# Allegro board CHIP_v1_0_20151123.brd
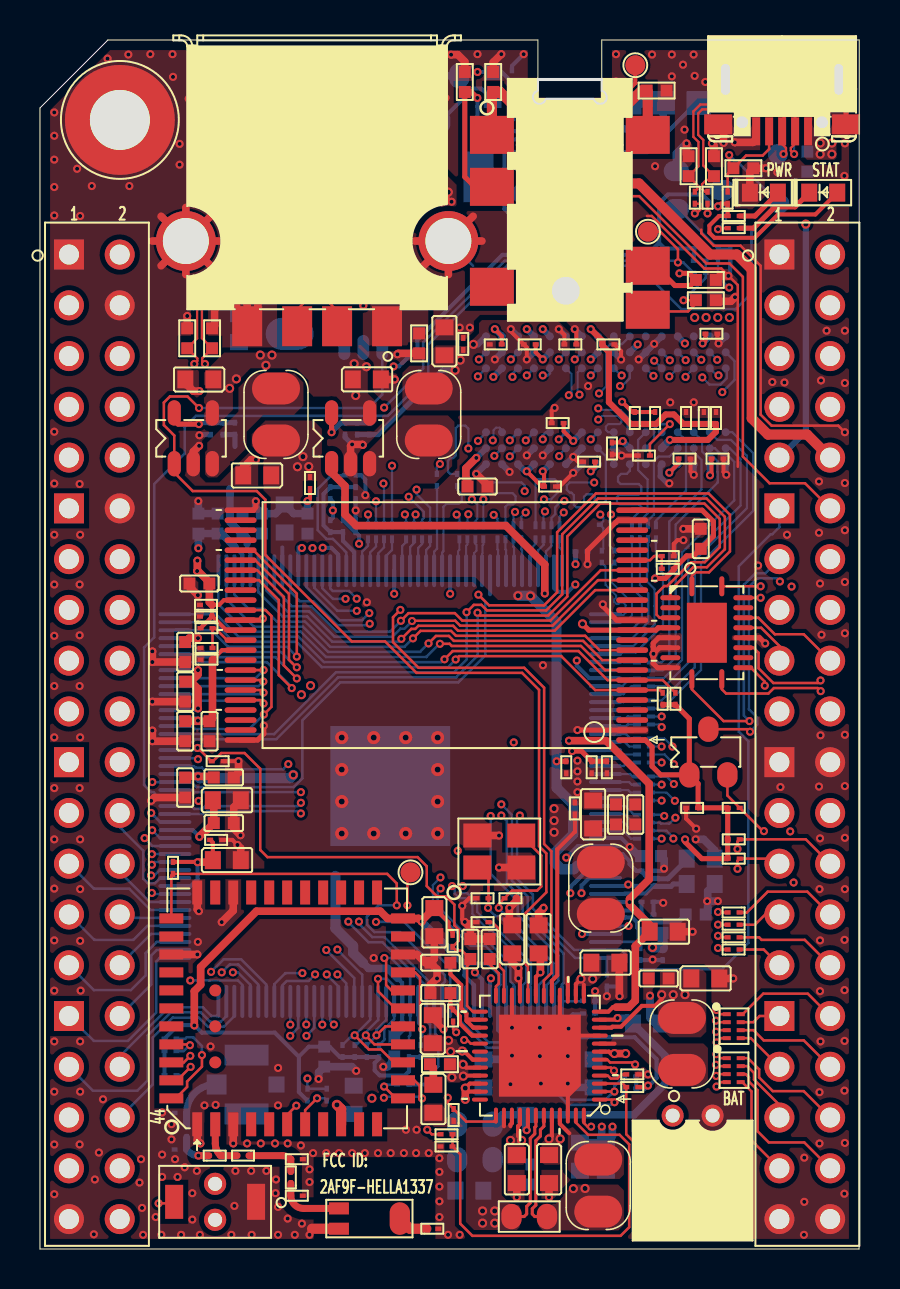
[diagram p0: board, top side]
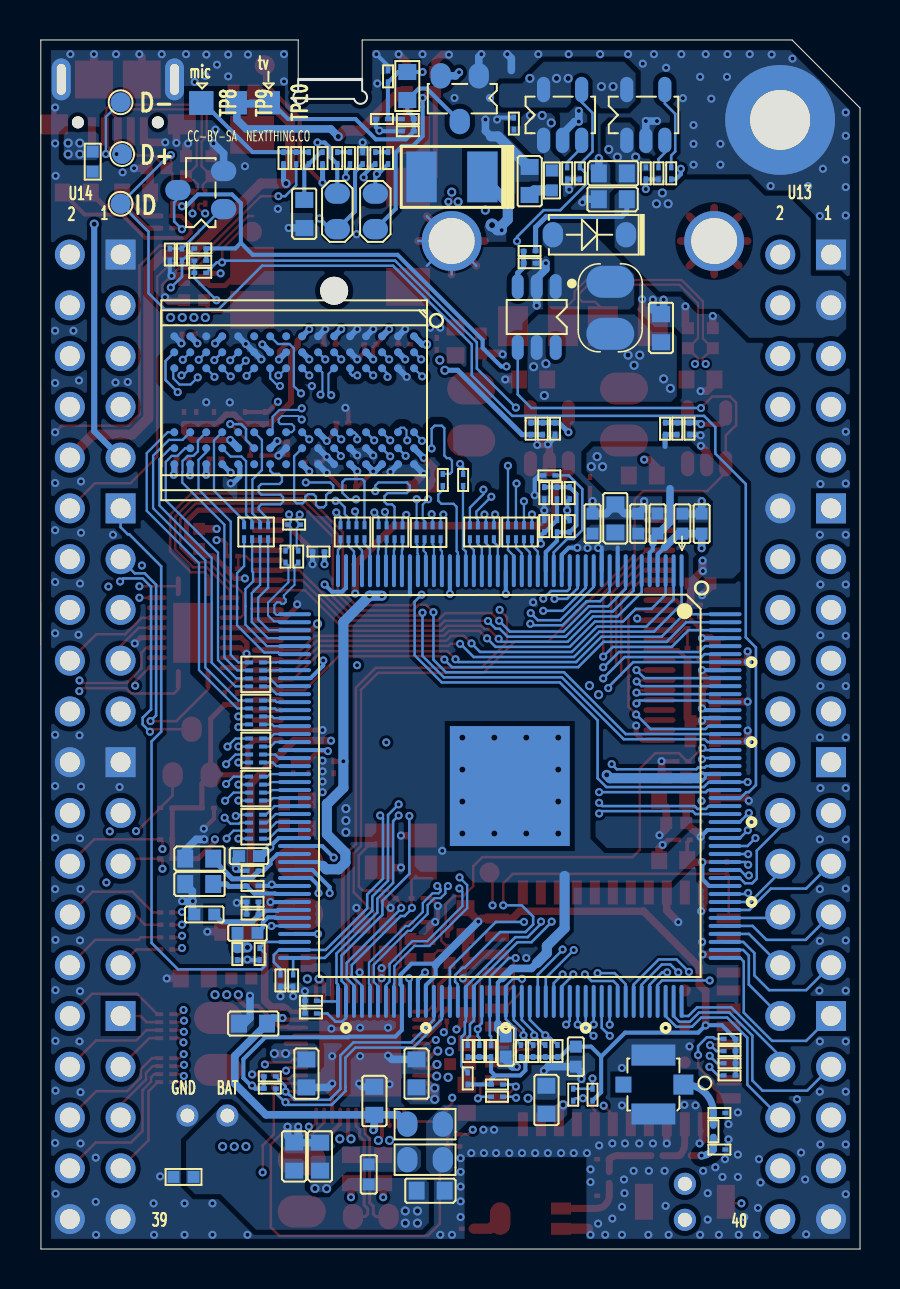
[diagram p1: board, bottom side, seen from below]

Outline 41.01 x 60.5 mm; copper layers: TOP, GND, IN1, IN2, VCC, BOTTOM. Coordinates in mm from the lower left corner of the outline.
Outline path: 0,57.09 3.4,60.5 24.92,60.5 24.92,58.46 28.12,58.46 28.12,60.5 41.01,60.5 41,0 0,0 0,57.09

## Design rules (mm)
net group A0: nets A0 SA0
net group BA0: nets BA0 SBA0
net group BA1: nets BA1 SBA1
net group BA2: nets BA2 SBA2
net group CSI-D0: nets CSI-D0 CSID0
net group CSI-D1: nets CSI-D1 CSID1
net group CSI-D2: nets CSI-D2 CSID2
net group CSI-D3: nets CSI-D3 CSID3
net group CSI-D4: nets CSI-D4 CSID4
net group CSI-D5: nets CSI-D5 CSID5
net group CSI-D6: nets CSI-D6 CSID6
net group CSI-D7: nets CSI-D7 CSID7
net group CSI-HSYNC: nets CSI-HSYNC CSIHSYNC
net group CSI-MCLK: nets CSI-MCLK CSICK
net group CSI-PCLK: nets CSI-PCLK CSIPCK
net group CSI-VSYNC: nets CSI-VSYNC CSIVSYNC
net group DM0: nets DM0 N21782572
net group DP0: nets DP0 N21782578
net group DSCK: nets DSCK SCK
net group DSCK-N: nets DSCK-N SCK-N
net group ODT: nets ODT SODT
net group RAS: nets RAS SRAS
net group RST: nets RST SRST
net group SDQM0: nets N21691225 SDQM0
net group SDQM1: nets N21691228 SDQM1
net group SDQS0: nets N21742219 SDQS0
net group SDQS0-N: nets N21742222 SDQS0-N
net group SDQS1: nets N21748095 SDQS1
net group SDQS1-N: nets N21748098 SDQS1-N
net group SWE: nets SWE WE
net group 50OHM: nets A1 A2 A3 A4 A5 A6 A7 A8 A9 A10 A11 A12 A13 A14 CAS CKE DQ0 DQ1 DQ2 DQ3 DQ4 DQ5 DQ6 DQ7 DQ8 DQ9 DQ10 DQ11 DQ12 DQ13 DQ14 DQ15 SA1 SA2 SA3 SA4 SA5 SA6 SA7 SA8 SA9 SA10 SA11 SA12 SA13 SA14 SCAS SCKE SDQ0 SDQ1 SDQ2 SDQ3 SDQ4 SDQ5 SDQ6 SDQ7 SDQ8 SDQ9 SDQ10 SDQ11 SDQ12 SDQ13 SDQ14 SDQ15
net group SDIO-WL: nets WL-SDIO-CLK WL-SDIO-CMD WL-SDIO-D0 WL-SDIO-D1 WL-SDIO-D2 WL-SDIO-D3

## Placement (name value [footprint] x y rotation side)
ANT1  ANT  [WIFI-1206]  16.49 1.52 0 top
ANT2  NC-ANT  [WIFI-ANT-SD73412-011H1_3A]  10.34 8.23 90 bottom
C1  18pF-1%  [C0201]  22.15 17.55 0 top
C5  18pF-1%  [C0201]  23.55 17.55 180 top
C9  1uF  [CC0402]  24.59 3.73 270 bottom
C10  4.7uF  [CC0603]  25.48 4 270 top
C11  4.7uF  [CC0603]  27.03 4.62 90 bottom
C12  4.7uF  [CC0603]  28.33 4.62 90 bottom
C13  10uF  [CC0603]  22.2 8.79 270 bottom
C14  10uF  [CC0603]  33.3 13.54 0 top
C15  102  [CC0402]  30.97 13.54 180 top
C16  10uF  [CC0603]  27.72 8.79 270 bottom
C17  10uF  [CC0603]  19.69 7.52 270 top
C18  10uF  [CC0603]  19.66 11 90 top
C19  10uF  [CC0603]  27.69 21.74 90 top
C20  102  [C0201]  26.78 22.05 90 top
C21  10uF  [CC0603]  28.3 14.33 0 top
C22  1uF  [CC0402]  20.05 12.8 0 top
C24  1uF  [CC0402]  20.05 14.33 180 top
C25  4.7uF  [CC0603]  31.22 15.88 0 top
C26  1uF  [CC0402]  22.51 15.01 270 top
C27  4.7uF  [CC0603]  21.49 2.92 0 bottom
C28  4.7uF  [CC0603]  24.31 7.42 270 bottom
C29  4.7uF  [CC0603]  23.64 15.49 90 top
C32  10uF  [CC0603]  23.87 4 270 top
C33  104  [C0201]  27.11 34.9 180 bottom
C34  104  [C0201]  15.8 36.17 270 bottom
C35  104  [C0201]  20.35 5.13 0 top
C36  104  [C0201]  28.38 24.1 90 top
C37  1uF  [CC0402]  21.54 15.01 270 top
C45  10uF  [CC0603]  15.7 7.47 270 bottom
C47  NC  [C0201]  12.86 4.5 0 top
C48  NC  [C0201]  12.86 2.67 0 top
C49  1uF  [CC0402]  14.23 9.63 90 bottom
C50  4.7uF  [CC0603]  19.74 16.36 270 top
C51  8P  [C0201]  19.64 1.02 0 top
C52  NC  [C0201]  7.04 4.98 180 bottom
C53  22pF  [C0201]  22.64 56.54 180 bottom
C54  104  [C0201]  28.22 54.58 90 bottom
C55  271  [C0201]  23.63 58.67 270 bottom
C56  331  [C0201]  22.64 55.93 180 bottom
C58  104  [C0201]  17.33 56.31 270 bottom
C59  4.7uF  [CC0603]  16.54 53.44 270 bottom
C60  NC  [C0201]  7.04 6.81 180 bottom
C64  104  [C0201]  10.72 53.82 90 bottom
C65  4.7uF  [CC0603]  12.37 53.82 180 bottom
C66  4.7uF  [CC0603]  30.38 11.28 180 bottom
C67  47pF  [C0201]  9.15 41.05 90 bottom
C68  4.7uF  [CC0603]  7.98 43.51 180 top
C69  104  [C0201]  13.52 38.33 270 top
C70  4.7uF  [CC0603]  10.88 38.71 180 top
C71  4.7uF  [CC0603]  16.36 43.51 0 top
C72  104  [C0201]  21.19 45.29 90 top
C73  47pF  [C0201]  15.88 41.05 90 bottom
C74  4.7uF  [CC0603]  20.25 45.42 90 top
C75  10uF  [CC0603]  9.96 46.08 90 bottom
C76  4.7uF  [CC0603]  24.96 15.49 90 top
C77  10uF  [CC0603]  12.37 52.53 0 bottom
C78  22uF  [CC0805]  24.26 51.92 270 bottom
C79  22uF  [CC0805]  26.17 51.92 270 bottom
C81  104  [C0201]  29.77 41.58 90 top
C82  104  [C0201]  15.17 37.82 90 bottom
C83  104  [C0201]  33.23 41.58 270 top
C84  104  [C0201]  14.53 37.82 270 bottom
C90  104  [C0201]  22.81 45.26 0 top
C91  104  [C0201]  26.55 45.26 0 top
C92  104  [C0201]  25.91 41.33 180 top
C93  104  [C0201]  25.53 38.15 0 top
C94  104  [C0201]  28.63 40.06 270 top
C95  104  [C0201]  33.84 41.58 90 top
C96  104  [C0201]  28.45 45.26 0 top
C102  104  [C0201]  24.52 45.26 0 top
C103  104  [C0201]  33.91 39.55 0 top
C104  104  [C0201]  32.26 39.55 0 top
C105  104  [C0201]  27.49 39.4 180 top
C106  104  [C0201]  33.61 45.8 0 top
C109  NC  [C0201]  28.33 36.25 180 bottom
C142  4.7uF  [C0402]  21.9 38.15 180 top
C145  1uF  [CC0402]  33.08 35.53 270 top
C146  220uF/10V  [CT1210]  20.43 53.64 0 bottom
C148  104  [C0201]  25.53 54.58 270 bottom
C149  10uF  [C0603]  9.35 22.45 0 top
C150  1uF  [C0402]  17.73 10.13 270 bottom
C151  104  [C0201]  24.26 54.58 270 bottom
C152  104  [C0201]  34.55 49.76 90 bottom
C153  1uF  [C0402]  29.8 21.74 90 top
C154  1uF  [C0402]  30.59 19.66 0 bottom
C157  10uF  [C0603]  9.35 19.46 0 top
C158  1uF  [C0402]  8.49 25.91 90 top
C159  1uF  [C0402]  7.98 33.3 0 top
C160  1uF  [C0402]  7.27 25.91 90 top
C161  1uF  [C0402]  10.14 36.3 270 bottom
C164  1uF  [C0402]  30.66 15.82 180 bottom
C165  102  [C0201]  30.05 14.76 90 bottom
C166  104  [C0201]  8.89 24.41 180 top
C167  10uF  [C0603]  33.08 18.26 180 bottom
C168  104  [C0201]  30.41 18.17 0 bottom
C169  4.7uF  [C0402]  32.82 16.74 180 bottom
C170  104  [C0201]  30.41 16.74 180 bottom
C172  104  [C0201]  26.34 24.1 90 top
C173  102  [C0201]  27.49 12.42 180 bottom
C174  102  [C0201]  29.01 13.44 90 bottom
C175  102  [C0201]  27.49 11.79 180 bottom
C176  102  [C0201]  28.38 13.44 90 bottom
C177  10uF  [C0603]  33.08 19.53 180 bottom
C178  10uF  [C0603]  12.25 36.55 90 bottom
C179  1uF  [C0402]  8.89 36.3 90 bottom
C180  1uF  [C0402]  11.1 36.3 90 bottom
C181  1uF  [C0402]  7.27 27.89 270 top
C182  1uF  [C0402]  13.39 36.3 90 bottom
C183  1uF  [C0402]  7.27 29.87 270 top
C184  1uF  [C0402]  7.27 23.09 270 top
C185  1uF  [C0402]  9.2 23.6 0 top
C186  1uF  [C0402]  7.93 36.3 90 bottom
C188  4.7u/6.3V  [CC0603]  27.82 51.79 90 bottom
C189  104  [C0201]  8.82 20.47 180 top
C190  104  [C0201]  8.31 32.23 0 top
C191  104  [C0201]  32.64 22.07 0 top
C192  104  [C0201]  8.34 29.49 0 top
C193  104  [C0201]  8.31 31.65 0 top
C194  104  [C0201]  31.42 34.67 180 top
C294  100pF  [C0201]  28.86 54.58 270 bottom
C295  104  [C0201]  14.53 36.17 270 bottom
C296  1uF  [C0402]  9.2 21.31 0 top
C297  104  [C0201]  30.41 18.92 180 bottom
C298  104  [C0201]  27.61 24.1 90 top
C299  1uF  [C0402]  28.83 21.74 90 top
D1  PWR  [D0603]  36.23 52.86 180 top
D2  STAT  [D0603]  39.21 52.86 180 top
D16  1N5819  [SOD123H14A]  13.54 50.75 180 bottom
D18  BAT54S  [SOT-23]  20.04 57.56 270 bottom
ESD11  NC/AU0511P1  [R0402]  35.21 54.08 0 top
ESD12  NC/AU0561BP  [R0402]  33.74 54.18 90 top
ESD13  NC/AU0561BP  [R0402]  32.47 54.18 90 top
ESD14  NC/AU0511P1  [R0402]  38.41 54.41 270 bottom
ESD15  NC/AU0561BP  [R0402]  7.37 45.57 90 top
ESD16  NC/AU0511P1  [R0402]  18.98 45.31 270 top
ESD18  NC/AU0561BP  [R0402]  8.62 45.57 90 top
ESD33  NC/AU0511P1  [R0402]  30.87 57.96 180 top
ESD34  NC/AU0511P1  [R0402]  21.26 58.39 270 top
ESD35  NC/AU0511P1  [R0402]  33.33 47.47 180 top
ESD36  NC/AU0511P1  [R0402]  33.33 48.49 180 top
ESD37  NC/AU0511P1  [R0402]  22.69 58.39 270 top
ESD38  NC/AU0511P1  [R0402]  33.86 3.61 0 bottom
J1  BATTERY  [CON2-PT2-6X6H4_7B]  32.67 6.43 180 top
J4  USB-MINI-SOCKET  [USB-MIC-A01SB141BH2_4A]  37.15 60.67 0 top
J5  USB-A-SOCKET  [USB_AF-011Z_45H5_2A]  13.87 60.17 0 top
J11  HXQKPJ-342H  [PJ-033SMTH4A]  26.52 58.55 270 top
L2  2.2uH-DCR<0.1R-1.5A/ELL4LG2R2NA  [L3518]  27.94 3.17 90 top
L3  2.2uH-DCR<0.1R-1.5A/ELL4LG2R2NA  [L3518]  32.14 10.26 270 top
L4  2.2uH-DCR<0.1R-1.5A/ELL4LG2R2NA  [L3518]  28.07 18.06 270 top
L5  2.2uH-DCR<0.1R-1.5A/ELL4LG2R2NA  [L3518]  11.82 41.76 90 top
L6  2.2uH-DCR<0.1R-1.5A/ELL4LG2R2NA  [L3518]  19.46 41.76 270 top
L8  2.2uH-DCR<0.1R-1.5A/ELL4LG2R2NA  [L3518]  12.5 47.09 90 bottom
L9  1.8uH  [L0603]  22.66 58.19 270 bottom
NOREF  -  []  0.87 0 0 top
NOREF#2  -  []  0.23 0.63 90 top
NSR3  10K  [C0201]  31.42 34.04 180 top
NSR4  NC-0R  [C0201]  8.34 31.06 0 top
NSR5  NC-0R  [C0201]  8.34 30.07 180 top
OR4  6K8-1%  [C0201]  10.09 53.82 90 bottom
Q4  MMBT3904  [SOT-23]  33 52.98 0 bottom
Q11  BSN20  [SOT-23]  33.46 24.87 90 top
R1  2K2  [C0201]  29.54 8.03 180 bottom
R2  2K2  [C0201]  19.64 9.91 90 bottom
R3  2K2  [C0201]  19.64 8.53 90 bottom
R4  2K2  [C0201]  29.54 8.64 180 bottom
R6  2K2  [C0201]  34.73 20.5 0 top
R7  0R03  [R0805]  24.49 1.63 0 top
R8  1K  [C0201]  34.73 51.69 180 top
R9  1R  [R0402]  20.02 9.25 0 top
R10  10K  [C0201]  33.02 50.06 180 bottom
R11  10K  [C0201]  29.65 8.1 0 top
R12  0R  [C0201]  20.71 6.71 90 top
R13  200K-1%  [C0201]  22.15 16.36 0 top
R14  100K-1%  [C0201]  15.27 41.05 90 bottom
R15  150K-1%  [C0201]  16.49 41.05 270 bottom
R16  47K  [C0201]  20.68 11.68 90 top
R17  47K  [C0201]  20.65 15.42 90 top
R18  2K2  [C0201]  34.73 19.53 0 top
R20  2K  [C0201]  29.65 8.74 0 top
R39  0R  [C0201]  34.72 15.6 0 top
R40  0R  [C0201]  34.72 14.99 0 top
R41  0R  [C0201]  34.72 16.23 0 top
R43  0R  [C0201]  34.72 16.84 180 top
R45  0R  [C0201]  12.56 3.58 90 top
R46  0R  [C0201]  10.16 4.67 180 top
R47  NC-0R  [C0201]  8.75 4.67 0 top
R48  33K  [C0201]  19.05 9.91 90 bottom
R49  33K  [C0201]  18.47 9.91 90 bottom
R50  NC  [C0201]  16.97 9.91 90 bottom
R51  33K  [C0201]  16.36 9.91 90 bottom
R52  33K  [C0201]  15.75 9.91 90 bottom
R53  33K  [C0201]  15.14 9.91 90 bottom
R54  200K-1%  [C0201]  16.54 49.94 180 bottom
R55  10K  [C0201]  6.53 9.3 0 bottom
R56  10K  [C0201]  6.53 8.69 0 bottom
R57  27K-1%  [C0201]  16.54 49.33 0 bottom
R58  NC-10K  [C0201]  6.53 9.91 0 bottom
R59  NC-10K  [C0201]  6.53 10.52 0 bottom
R60  75R  [C0201]  23.93 56.54 0 bottom
R61  NC-0R  [C0201]  7.34 5.89 90 bottom
R62  NC/0R  [C0201]  18.17 7.62 180 bottom
R63  NC/0R  [C0201]  14.36 7.72 90 bottom
R65  100K  [C0201]  6.66 19.07 90 top
R66  100K  [C0201]  18.17 8.23 0 bottom
R68  24R  [C0201]  28.76 34.65 270 bottom
R70  10K  [C0201]  34.42 52.6 270 top
R71  240R-1%  [C0201]  30.23 39.7 0 top
R74  510K  [C0201]  14.03 53.82 90 bottom
R75  6K8-1%  [C0201]  14.66 53.82 90 bottom
R78  100K-1%  [C0201]  8.54 41.05 90 bottom
R79  442K-1%  [C0201]  9.76 41.05 270 bottom
R80  NC-0R  [R0805]  21.77 4.47 0 bottom
R81  0R  [R0805]  21.77 6.25 0 bottom
R82  1R  [R0402]  15.42 53.47 90 bottom
R83  1K  [C0201]  20.35 5.74 180 top
R84  0R  [C0201]  32.78 52.6 270 top
R85  0R  [C0201]  33.41 52.6 270 top
R86  1K  [C0201]  9.45 53.82 270 bottom
R87  10k  [C0201]  13.39 7.72 270 bottom
R88  1M  [C0201]  33.02 49.45 180 bottom
R89  2K-1%  [C0201]  15.17 36.17 90 bottom
R90  2K-1%  [C0201]  32.34 41.58 270 top
R91  2K-1%  [C0201]  15.8 37.82 90 bottom
R94  240R-1%  [C0201]  15.55 38.71 180 bottom
R100  24R  [C0201]  23.63 54.58 90 bottom
R101  24R  [C0201]  26.17 54.58 90 bottom
R102  1K  [C0201]  34.73 51.08 180 top
R103  2K2  [C0201]  33.94 49.76 270 bottom
R105  100K  [C0201]  24.9 54.58 90 bottom
R113  1K  [C0201]  26.9 54.58 270 bottom
R121  200K-1%  [C0201]  30.41 17.37 180 bottom
R122  0R  [C0201]  31.17 14.76 90 bottom
R130  10K  [C0201]  31.17 27.53 90 top
R131  10K  [C0201]  31.81 27.53 90 top
R192  1.5K  [C0201]  27.59 54.58 90 bottom
R206  10K  [C0201]  34.73 22.07 0 top
R414  0R  [C0201]  33.02 48.84 0 bottom
R416  2K-1%  [C0201]  30.79 41.58 90 top
R420  24R  [C0201]  20.88 38.48 90 bottom
R421  24R  [C0201]  19.87 38.48 90 bottom
R422  24R  [C0201]  28.12 34.65 270 bottom
RN1  0R*4  [RN0201]  34.73 11.15 90 top
RN2  0R*4  [RN0201]  34.73 8.95 90 top
RN20  33R*4  [RN0201]  25.4 35.86 0 bottom
RN21  33R*4  [RN0201]  17.02 35.86 0 bottom
RN22  33R*4  [RN0201]  23.5 35.86 0 bottom
RN23  33R*4  [RN0201]  18.93 35.86 0 bottom
RN24  33R*4  [RN0201]  30.23 35.86 0 bottom
RN25  33R*4  [RN0201]  30.23 28.75 270 bottom
RN26  33R*4  [RN0201]  30.23 26.85 270 bottom
RN27  33R*4  [RN0201]  30.23 24.94 270 bottom
RN28  33R*4  [RN0201]  30.23 23.04 270 bottom
RN29  33R*4  [RN0201]  30.23 21.13 270 bottom
RN30  24R*4  [RN0201]  21.59 35.86 180 bottom
SW1  KEY-2PIN_0  [SW_4P_TC3061B]  8.77 2.36 180 top
TP2  DC3-SET  [TP40_SMD]  18.55 18.85 0 top
TP3  LS  [PAD5_5D3]  4 56.49 0 top
TP4  VMIC  [TP40_SMD]  29.8 59.23 0 top
TP7  PMU-GPOI1  [TP40_SMD]  30.43 50.9 0 top
TP8  TEST  [TP30_SMD]  33 57.3 90 bottom
TP9  TEST  [TP30_SMD]  31.2 57.3 90 bottom
TP10  TEST  [TP30_SMD]  29.42 57.33 90 bottom
TP16  D+  [TP40_SMD]  36.94 54.79 180 bottom
TP17  D-  [TP40_SMD]  37.01 57.38 180 bottom
TP18  ID  [TP40_SMD]  37.01 52.3 180 bottom
U1  R8  [TQFP177P0_4]  17.53 23.16 270 bottom
U3  AXP209  [QFN49_0_4H0_8A]  25.02 9.68 180 top
U4  LP3220SAB5F/SY8088  [SOT23_5H14A]  15.55 40.56 90 top
U9  8723BS  [QFN44-AP6476-12X12H1_6A]  12.37 12.04 90 top
U10  LPW5210B5F  [SOT23_5H14A]  14.89 56.74 90 bottom
U11  LP6226/SY7208  [SOT23-6]  16.18 46.63 0 bottom
U12  LP3220SAB5F\SY8088  [SOT23_5H14A]  7.68 40.56 90 top
U13  LCD_CN  [CON2X20-PT2_54-5_2X31_2H2A]  2.72 25.63 0 top
U14  LCD_CN  [CON2X20-PT2_54-5_2X31_2H2A]  38.28 25.63 0 top
U15  LPW5210B5F  [SOT23_5H14A]  10.72 56.74 90 bottom
U27  PCF8574ARGYR  [QFN20-PT0_5-3_65X4_65H1A]  33.38 30.84 270 top
U29  DDR3-FBGA96  [FBGA96C80P9X13]  28.33 42.47 270 bottom
U30  NAND FLASH X8  [TSOP-48H1_2A]  19.84 31.22 90 top
X1  24M-20pF-10PPM  [CRYSTAL-4P-3225-H1A]  22.99 19.89 180 top

## Library data of the parts
ANT1 = ANT_2: Tolerance: TOLERANCE; User Part Number: PRAT NUMBER
ANT2 = ANT_4: Tolerance: TOLERANCE; User Part Number: PRAT NUMBER
C1 C5 C9-C14 C16-C19 C21 C22 C24-C29 C32-C37 C45 C47-C52 C60 C66-C77 C81 C83 C148 C151 C165 C166 C168 C170 C172-C176 C189-C194 C295 C297 C298 = CAPACITOR_0: User Part Number: PRAT NUMBER; Tolerance: TOLERANCE
C15 C20 = CAPACITOR_1: User Part Number: PRAT NUMBER; Tolerance: TOLERANCE
C53-C56 C58 C59 C64 C65 C145 = CAPACITOR: User Part Number: PRAT NUMBER; Tolerance: TOLERANCE
C78 C79 = CAPACITOR_0: Tolerance: Toleance; User Part Number: Part number
C82 C84 C90-C96 C102-C106 = CAP_0: User Part Number: PRAT NUMBER; Tolerance: TOLERANCE
C109 = CAPACITOR_0: User Part Number: PRAT NUMBER; Tolerance: TOLERANCE; signal model: C0402_NC
C142 C149 C150 C153 C154 C157-C161 C164 C167 C169 C177-C186 C296 C299 = CAPACITOR_0: Tolerance: TOLERANCE; User Part Number: PRAT NUMBER
C146 = CAPACITOR_POL: room: MODEM
C152 = CAPACITOR_0: User Part Number: PRAT NUMBER; Tolerance: TOLERANCE; room: MODEM
C188 = CAP NP: User Part Number: PRAT NUMBER; Tolerance: TOLERANCE
C294 = CAP NP: User Part Number: GRM1555C1H180JZ01; Tolerance: TOLERANCE
D1 = LED_0: Tolerance: TOLERANCE; User Part Number: PRAT NUMBER
D2 = LED_0: Tolerance: TOLERANCE; User Part Number: PRAT NUMBER; room: MODEM
D16 = DIODE_SCHOTTKY_0: Tolerance: TOLERANCE; User Part Number: PRAT NUMBER
D18 = DIODE_DUAL: Tolerance: TOLERANCE; User Part Number: PRAT NUMBER
ESD11-ESD16 ESD18 ESD33-ESD38 = 1_1.5KE100A: Tolerance: TOLERANCE; User Part Number: PRAT NUMBER
J1 = CON3_0: User Part Number: PRAT NUMBER; Tolerance: TOLERANCE
J4 = USB_MINI_SOCKET_2: Tolerance: TOLERANCE; User Part Number: PRAT NUMBER
J5 = USB_MINI_SOCKET_5: Tolerance: TOLERANCE; User Part Number: PRAT NUMBER
J11 = PHONOJACK_1: User Part Number: PRAT NUMBER; Tolerance: TOLERANCE
L2-L4 L8 L9 = INDUCTOR_1: User Part Number: PRAT NUMBER; Tolerance: TOLERANCE
L5 L6 = INDUCTOR_0: User Part Number: PRAT NUMBER; Tolerance: TOLERANCE
NSR3-NSR5 OR4 R1-R4 R6-R8 R10-R13 R16-R18 R20 R45-R59 R61-R63 R65 R66 R70 R74 R75 R80 R81 R83 R86 R94 R121 R122 R130 R131 = R: User Part Number: PRAT NUMBER; Tolerance: TOLERANCE
Q4 = NPN: Tolerance: TOLERANCE; User Part Number: PRAT NUMBER; room: MODEM
Q11 = NMOS_xp151_SOT23: Tolerance: TOLERANCE; User Part Number: PRAT NUMBER
R9 R82 = R: Tolerance: TOLERANCE; User Part Number: PRAT NUMBER
R14 R15 R78 R79 R90 R100 R101 R105 R416 = ?_0: User Part Number: PRAT NUMBER; Tolerance: TOLERANCE
R39-R41 R43 = RESISTOR_0: User Part Number: PRAT NUMBER; Tolerance: TOLERANCE; signal model: R0402_0R
R60 = RESISTOR: User Part Number: PRAT NUMBER; Tolerance: TOLERANCE; room: TVLCD
R68 R420-R422 = R1 0805: User Part Number: PRAT NUMBER; Tolerance: TOLERANCE; signal model: R0402_24R
R71 R89 R91 R414 = R1 0805: User Part Number: PRAT NUMBER; Tolerance: TOLERANCE
R84 R85 = RESISTOR: User Part Number: PRAT NUMBER; Tolerance: TOLERANCE; signal model: R0402_0R
R87 R88 R113 R192 = RESISTOR: User Part Number: PRAT NUMBER; Tolerance: TOLERANCE
R102 R103 = RESISTOR: User Part Number: PRAT NUMBER; Tolerance: TOLERANCE; room: MODEM
R206 = R1_0805: User Part Number: PRAT NUMBER; Tolerance: TOLERANCE; room: DRAM
RN1 RN2 = R-PACK4_1: Tolerance: TOLERANCE; User Part Number: PRAT NUMBER; signal model: RN0402_0R*4
RN20-RN29 = R-PACK4_1: Tolerance: TOLERANCE; User Part Number: PRAT NUMBER; signal model: RN0201_33R*4
RN30 = R-PACK4_1: Tolerance: TOLERANCE; User Part Number: PRAT NUMBER; signal model: RN0201_24R*4
SW1 = KEY-2PIN_0: User Part Number: Part number; Tolerance: Toleance
TP2-TP4 TP7-TP10 TP16-TP18 = T_POINT_R: Tolerance: TOLERANCE; User Part Number: PRAT NUMBER
U1 = AW1625_CSI_eLQFP176_3: User Part Number: PRAT NUMBER; Tolerance: TOLERANCE
U3 = AW1612_0: Tolerance: TOLERANCE; User Part Number: PRAT NUMBER
U4 U12 = RT9293B_0: Tolerance: TOLERANCE; User Part Number: PRAT NUMBER
U9 = AP6493_4: User Part Number: Part number; Tolerance: Toleance
U10 U15 = RT9266PE_2: Tolerance: TOLERANCE; User Part Number: PRAT NUMBER
U11 = RT9266PE_3: Tolerance: TOLERANCE; User Part Number: PRAT NUMBER
U13 U14 = CNLCD_0: Tolerance: TOLERANCE; User Part Number: PRAT NUMBER
U27 = PCF8574T_1: Tolerance: TOLERANCE; User Part Number: PRAT NUMBER
U29 = DDR3_0: Tolerance: TOLERANCE; User Part Number: PRAT NUMBER
U30 = NAND_FLASH_X8: Tolerance: TOLERANCE; User Part Number: PRAT NUMBER
X1 = CRYSTAL-4_3: Tolerance: TOLERANCE; User Part Number: PRAT NUMBER

## Footprints (pads in the part's own frame, mm; a bottom-side part is the same pattern mirrored in y, then rotated)
C0201
  rect 0.3x0.22 smd: 1(-0.3,0) 2(0.3,0)
C0402
  rect 0.599x0.599 smd: 1(-0.5,0) 2(0.5,0)
C0603
  rect 0.8x0.899 smd: 1(-0.7,0) 2(0.7,0)
CC0402
  rect 0.599x0.599 smd: 1(-0.5,0) 2(0.5,0)
CC0603
  rect 0.8x0.899 smd: 1(-0.701,0) 2(0.701,0)
CC0805
  oval 1.016x1.27 smd: 1(-0.889,0) 2(0.889,0)
CON2-PT2-6X6H4_7B
  round 1.1 hole 0.7: 1(1,-0.25) 2(-1,-0.25)
CON2X20-PT2_54-5_2X31_2H2A
  rect 1.5x1.5 hole 1: 1(-1.27,24.13) 11(-1.27,11.43) 21(-1.27,-1.27) 31(-1.27,-13.97)
  round 1.5 hole 1: 2(1.27,24.13) 3(-1.27,21.59) 4(1.27,21.59) 5(-1.27,19.05) 6(1.27,19.05) 7(-1.27,16.51) 8(1.27,16.51) 9(-1.27,13.97) 10(1.27,13.97) 12(1.27,11.43) 13(-1.27,8.89) 14(1.27,8.89) 15(-1.27,6.35) 16(1.27,6.35) 17(-1.27,3.81) 18(1.27,3.81) 19(-1.27,1.27) 20(1.27,1.27) 22(1.27,-1.27) 23(-1.27,-3.81) 24(1.27,-3.81) 25(-1.27,-6.35) 26(1.27,-6.35) 27(-1.27,-8.89) 28(1.27,-8.89) 29(-1.27,-11.43) 30(1.27,-11.43) 32(1.27,-13.97) 33(-1.27,-16.51) 34(1.27,-16.51) 35(-1.27,-19.05) 36(1.27,-19.05) 37(-1.27,-21.59) 38(1.27,-21.59) 39(-1.27,-24.13) 40(1.27,-24.13)
CRYSTAL-4P-3225-H1A
  rect 1.4x1.199 smd: 1(1.1,0.8) 2(-1.1,0.8) 3(-1.1,-0.8) 4(1.1,-0.8)
CT1210
  rect 1.524x2.54 smd: 1(-1.524,0) 2(1.524,0)
D0603
  rect 0.8x0.899 smd: 1(-0.7,0) 2(0.7,0)
FBGA96C80P9X13
  round 0.4 smd: A1(-3.2,6) A2(-2.4,6) A3(-1.6,6) A7(1.6,6) A8(2.4,6) A9(3.2,6) B1(-3.2,5.2) B2(-2.4,5.2) B3(-1.6,5.2) B7(1.6,5.2) B8(2.4,5.2) B9(3.2,5.2) C1(-3.2,4.4) C2(-2.4,4.4) C3(-1.6,4.4) C7(1.6,4.4) C8(2.4,4.4) C9(3.2,4.4) D1(-3.2,3.6) D2(-2.4,3.6) D3(-1.6,3.6) D7(1.6,3.6) D8(2.4,3.6) D9(3.2,3.6) E1(-3.2,2.8) E2(-2.4,2.8) E3(-1.6,2.8) E7(1.6,2.8) E8(2.4,2.8) E9(3.2,2.8) F1(-3.2,2) F2(-2.4,2) F3(-1.6,2) F7(1.6,2) F8(2.4,2) F9(3.2,2) G1(-3.2,1.2) G2(-2.4,1.2) G3(-1.6,1.2) G7(1.6,1.2) G8(2.4,1.2) G9(3.2,1.2) H1(-3.2,0.4) H2(-2.4,0.4) H3(-1.6,0.4) H7(1.6,0.4) H8(2.4,0.4) H9(3.2,0.4) J1(-3.2,-0.4) J2(-2.4,-0.4) J3(-1.6,-0.4) J7(1.6,-0.4) J8(2.4,-0.4) J9(3.2,-0.4) K1(-3.2,-1.2) K2(-2.4,-1.2) K3(-1.6,-1.2) K7(1.6,-1.2) K8(2.4,-1.2) K9(3.2,-1.2) L1(-3.2,-2) L2(-2.4,-2) L3(-1.6,-2) L7(1.6,-2) L8(2.4,-2) L9(3.2,-2) M1(-3.2,-2.8) M2(-2.4,-2.8) M3(-1.6,-2.8) M7(1.6,-2.8) M8(2.4,-2.8) M9(3.2,-2.8) N1(-3.2,-3.6) N2(-2.4,-3.6) N3(-1.6,-3.6) N7(1.6,-3.6) N8(2.4,-3.6) N9(3.2,-3.6) P1(-3.2,-4.4) P2(-2.4,-4.4) P3(-1.6,-4.4) P7(1.6,-4.4) P8(2.4,-4.4) P9(3.2,-4.4) R1(-3.2,-5.2) R2(-2.4,-5.2) R3(-1.6,-5.2) R7(1.6,-5.2) R8(2.4,-5.2) R9(3.2,-5.2) T1(-3.2,-6) T2(-2.4,-6) T3(-1.6,-6) T7(1.6,-6) T8(2.4,-6) T9(3.2,-6)
L0603
  rect 0.8x0.899 smd: 1(-0.7,0) 2(0.7,0)
L3518
  oval 1.6x2.4 smd: 1(-1.3,0) 2(1.3,0)
PAD5_5D3
  round 5.5 hole 3: 1(0,0)
PJ-033SMTH4A
  round 1.4 hole 1.4 unplated: (10.6,-0.2)
  rect 1.9x2.2 smd: 1(2.8,-3.9) 2(5.4,-3.9) 3(10.4,-3.9) 4(9.35,3.9) 5(2.8,3.9) 6(11.55,3.9)
QFN20-PT0_5-3_65X4_65H1A
  rect 3x1.999 smd: (0,0)
  oval 1.001x0.249 smd: 1(-2.324,-0.749) 10(2.324,-0.749) 11(2.324,0.749) 20(-2.324,0.749)
  oval 0.249x1.001 smd: 2(-1.75,-1.826) 3(-1.25,-1.826) 4(-0.749,-1.826) 5(-0.249,-1.826) 6(0.249,-1.826) 7(0.749,-1.826) 8(1.25,-1.826) 9(1.75,-1.826) 12(1.75,1.826) 13(1.25,1.826) 14(0.749,1.826) 15(0.249,1.826) 16(-0.249,1.826) 17(-0.749,1.826) 18(-1.25,1.826) 19(-1.75,1.826)
QFN44-AP6476-12X12H1_6A
  rect 1.199x0.5 smd: 1(-5.799,4.501) 2(-5.799,3.599) 3(-5.799,2.7) 4(-5.799,1.801) 5(-5.799,0.899) 6(-5.799,0) 7(-5.799,-0.899) 8(-5.799,-1.801) 9(-5.799,-2.7) 10(-5.799,-3.599) 11(-5.799,-4.501) 23(5.799,-4.501) 24(5.799,-3.599) 25(5.799,-2.7) 26(5.799,-1.801) 27(5.799,-0.899) 28(5.799,0) 29(5.799,0.899) 30(5.799,1.801) 31(5.799,2.7) 32(5.799,3.599) 33(5.799,4.501)
  rect 0.5x1.199 smd: 12(-4.501,-5.799) 13(-3.599,-5.799) 14(-2.7,-5.799) 15(-1.801,-5.799) 16(-0.899,-5.799) 17(0,-5.799) 18(0.899,-5.799) 19(1.801,-5.799) 20(2.7,-5.799) 21(3.599,-5.799) 22(4.501,-5.799) 34(4.501,5.799) 35(3.599,5.799) 36(2.7,5.799) 37(1.801,5.799) 38(0.899,5.799) 39(0,5.799) 40(-0.899,5.799) 41(-1.801,5.799) 42(-2.7,5.799) 43(-3.599,5.799) 44(-4.501,5.799)
  round 0.599 smd: 45(-2.7,3.599) 46(-0.899,3.599) 47(0.899,3.599)
QFN49_0_4H0_8A
  oval 0.8x0.2 smd: 1(-3,2.2) 2(-3,1.8) 3(-3,1.4) 4(-3,1) 5(-3,0.6) 6(-3,0.2) 7(-3,-0.2) 8(-3,-0.6) 9(-3,-1) 10(-3,-1.4) 11(-3,-1.8) 12(-3,-2.2) 25(3,-2.2) 26(3,-1.8) 27(3,-1.4) 28(3,-1) 29(3,-0.6) 30(3,-0.2) 31(3,0.2) 32(3,0.6) 33(3,1) 34(3,1.4) 35(3,1.8) 36(3,2.2)
  oval 0.2x0.8 smd: 13(-2.2,-3) 14(-1.8,-3) 15(-1.4,-3) 16(-1,-3) 17(-0.6,-3) 18(-0.2,-3) 19(0.2,-3) 20(0.6,-3) 21(1,-3) 22(1.4,-3) 23(1.8,-3) 24(2.2,-3) 37(2.2,3) 38(1.8,3) 39(1.4,3) 40(1,3) 41(0.6,3) 42(0.2,3) 43(-0.2,3) 44(-0.6,3) 45(-1,3) 46(-1.4,3) 47(-1.8,3) 48(-2.2,3)
  custom 4.1x4.1 smd: 49(0,0)
R0402
  rect 0.599x0.599 smd: 1(-0.5,0) 2(0.5,0)
R0805
  oval 1.016x1.27 smd: 1(-0.889,0) 2(0.889,0)
RN0201
  rect 0.2x0.4 smd: 1(0.6,0.35) 2(0.2,0.35) 3(-0.2,0.35) 4(-0.6,0.35) 5(-0.6,-0.35) 6(-0.2,-0.35) 7(0.2,-0.35) 8(0.6,-0.35)
SOD123H14A
  oval 1.016x1.27 smd: 1(-1.829,0) 2(1.829,0)
SOT23-6
  oval 0.599x1.25 smd: 1(-0.95,-1.524) 2(0,-1.524) 3(0.95,-1.524) 4(0.95,1.524) 5(0,1.524) 6(-0.95,1.524)
SOT23_5H14A
  oval 1.27x0.66 smd: 1(-1.27,0.953) 2(-1.27,0) 3(-1.27,-0.953) 4(1.27,-0.953) 5(1.27,0.953)
SOT-23
  oval 1.27x1.016 smd: 1(-1.143,0.953) 2(-1.143,-0.953) 3(1.143,0)
SW_4P_TC3061B
  round 1.11 hole 0.701: (0,0.9) (0,-0.9)
  rect 0.9x1.8 smd: 1(-2.05,0)
  rect 0.9x1.7 smd: 2(2.05,0)
TP30_SMD
  round 0.762 smd: 1(0,0)
TP40_SMD
  round 1.001 smd: 1(0,0)
TQFP177P0_4
  oval 1.65x0.2 smd: 1(-10.775,8.6) 2(-10.775,8.2) 3(-10.775,7.8) 4(-10.775,7.4) 5(-10.775,7) 6(-10.775,6.6) 7(-10.775,6.2) 8(-10.775,5.8) 9(-10.775,5.4) 10(-10.775,5) 11(-10.775,4.6) 12(-10.775,4.2) 13(-10.775,3.8) 14(-10.775,3.4) 15(-10.775,3) 16(-10.775,2.6) 17(-10.775,2.2) 18(-10.775,1.8) 19(-10.775,1.4) 20(-10.775,1) 21(-10.775,0.6) 22(-10.775,0.2) 23(-10.775,-0.2) 24(-10.775,-0.6) 25(-10.775,-1) 26(-10.775,-1.4) 27(-10.775,-1.8) 28(-10.775,-2.2) 29(-10.775,-2.6) 30(-10.775,-3) 31(-10.775,-3.4) 32(-10.775,-3.8) 33(-10.775,-4.2) 34(-10.775,-4.6) 35(-10.775,-5) 36(-10.775,-5.4) 37(-10.775,-5.8) 38(-10.775,-6.2) 39(-10.775,-6.6) 40(-10.775,-7) 41(-10.775,-7.4) 42(-10.775,-7.8) 43(-10.775,-8.2) 44(-10.775,-8.6) 89(10.775,-8.6) 90(10.775,-8.2) 91(10.775,-7.8) 92(10.775,-7.4) 93(10.775,-7) 94(10.775,-6.6) 95(10.775,-6.2) 96(10.775,-5.8) 97(10.775,-5.4) 98(10.775,-5) 99(10.775,-4.6) 100(10.775,-4.2) 101(10.775,-3.8) 102(10.775,-3.4) 103(10.775,-3) 104(10.775,-2.6) 105(10.775,-2.2) 106(10.775,-1.8) 107(10.775,-1.4) 108(10.775,-1) 109(10.775,-0.6) 110(10.775,-0.2) 111(10.775,0.2) 112(10.775,0.6) 113(10.775,1) 114(10.775,1.4) 115(10.775,1.8) 116(10.775,2.2) 117(10.775,2.6) 118(10.775,3) 119(10.775,3.4) 120(10.775,3.8) 121(10.775,4.2) 122(10.775,4.6) 123(10.775,5) 124(10.775,5.4) 125(10.775,5.8) 126(10.775,6.2) 127(10.775,6.6) 128(10.775,7) 129(10.775,7.4) 130(10.775,7.8) 131(10.775,8.2) 132(10.775,8.6)
  oval 0.2x1.65 smd: 45(-8.6,-10.775) 46(-8.2,-10.775) 47(-7.8,-10.775) 48(-7.4,-10.775) 49(-7,-10.775) 50(-6.6,-10.775) 51(-6.2,-10.775) 52(-5.8,-10.775) 53(-5.4,-10.775) 54(-5,-10.775) 55(-4.6,-10.775) 56(-4.2,-10.775) 57(-3.8,-10.775) 58(-3.4,-10.775) 59(-3,-10.775) 60(-2.6,-10.775) 61(-2.2,-10.775) 62(-1.8,-10.775) 63(-1.4,-10.775) 64(-1,-10.775) 65(-0.6,-10.775) 66(-0.2,-10.775) 67(0.2,-10.775) 68(0.6,-10.775) 69(1,-10.775) 70(1.4,-10.775) 71(1.8,-10.775) 72(2.2,-10.775) 73(2.6,-10.775) 74(3,-10.775) 75(3.4,-10.775) 76(3.8,-10.775) 77(4.2,-10.775) 78(4.6,-10.775) 79(5,-10.775) 80(5.4,-10.775) 81(5.8,-10.775) 82(6.2,-10.775) 83(6.6,-10.775) 84(7,-10.775) 85(7.4,-10.775) 86(7.8,-10.775) 87(8.2,-10.775) 88(8.6,-10.775) 133(8.6,10.775) 134(8.2,10.775) 135(7.8,10.775) 136(7.4,10.775) 137(7,10.775) 138(6.6,10.775) 139(6.2,10.775) 140(5.8,10.775) 141(5.4,10.775) 142(5,10.775) 143(4.6,10.775) 144(4.2,10.775) 145(3.8,10.775) 146(3.4,10.775) 147(3,10.775) 148(2.6,10.775) 149(2.2,10.775) 150(1.8,10.775) 151(1.4,10.775) 152(1,10.775) 153(0.6,10.775) 154(0.2,10.775) 155(-0.2,10.775) 156(-0.6,10.775) 157(-1,10.775) 158(-1.4,10.775) 159(-1.8,10.775) 160(-2.2,10.775) 161(-2.6,10.775) 162(-3,10.775) 163(-3.4,10.775) 164(-3.8,10.775) 165(-4.2,10.775) 166(-4.6,10.775) 167(-5,10.775) 168(-5.4,10.775) 169(-5.8,10.775) 170(-6.2,10.775) 171(-6.6,10.775) 172(-7,10.775) 173(-7.4,10.775) 174(-7.8,10.775) 175(-8.2,10.775) 176(-8.6,10.775)